# Altium PCB pcb-acopians-powerspy-monitoring-hw.PcbDoc (part 2 of 3) (continued)
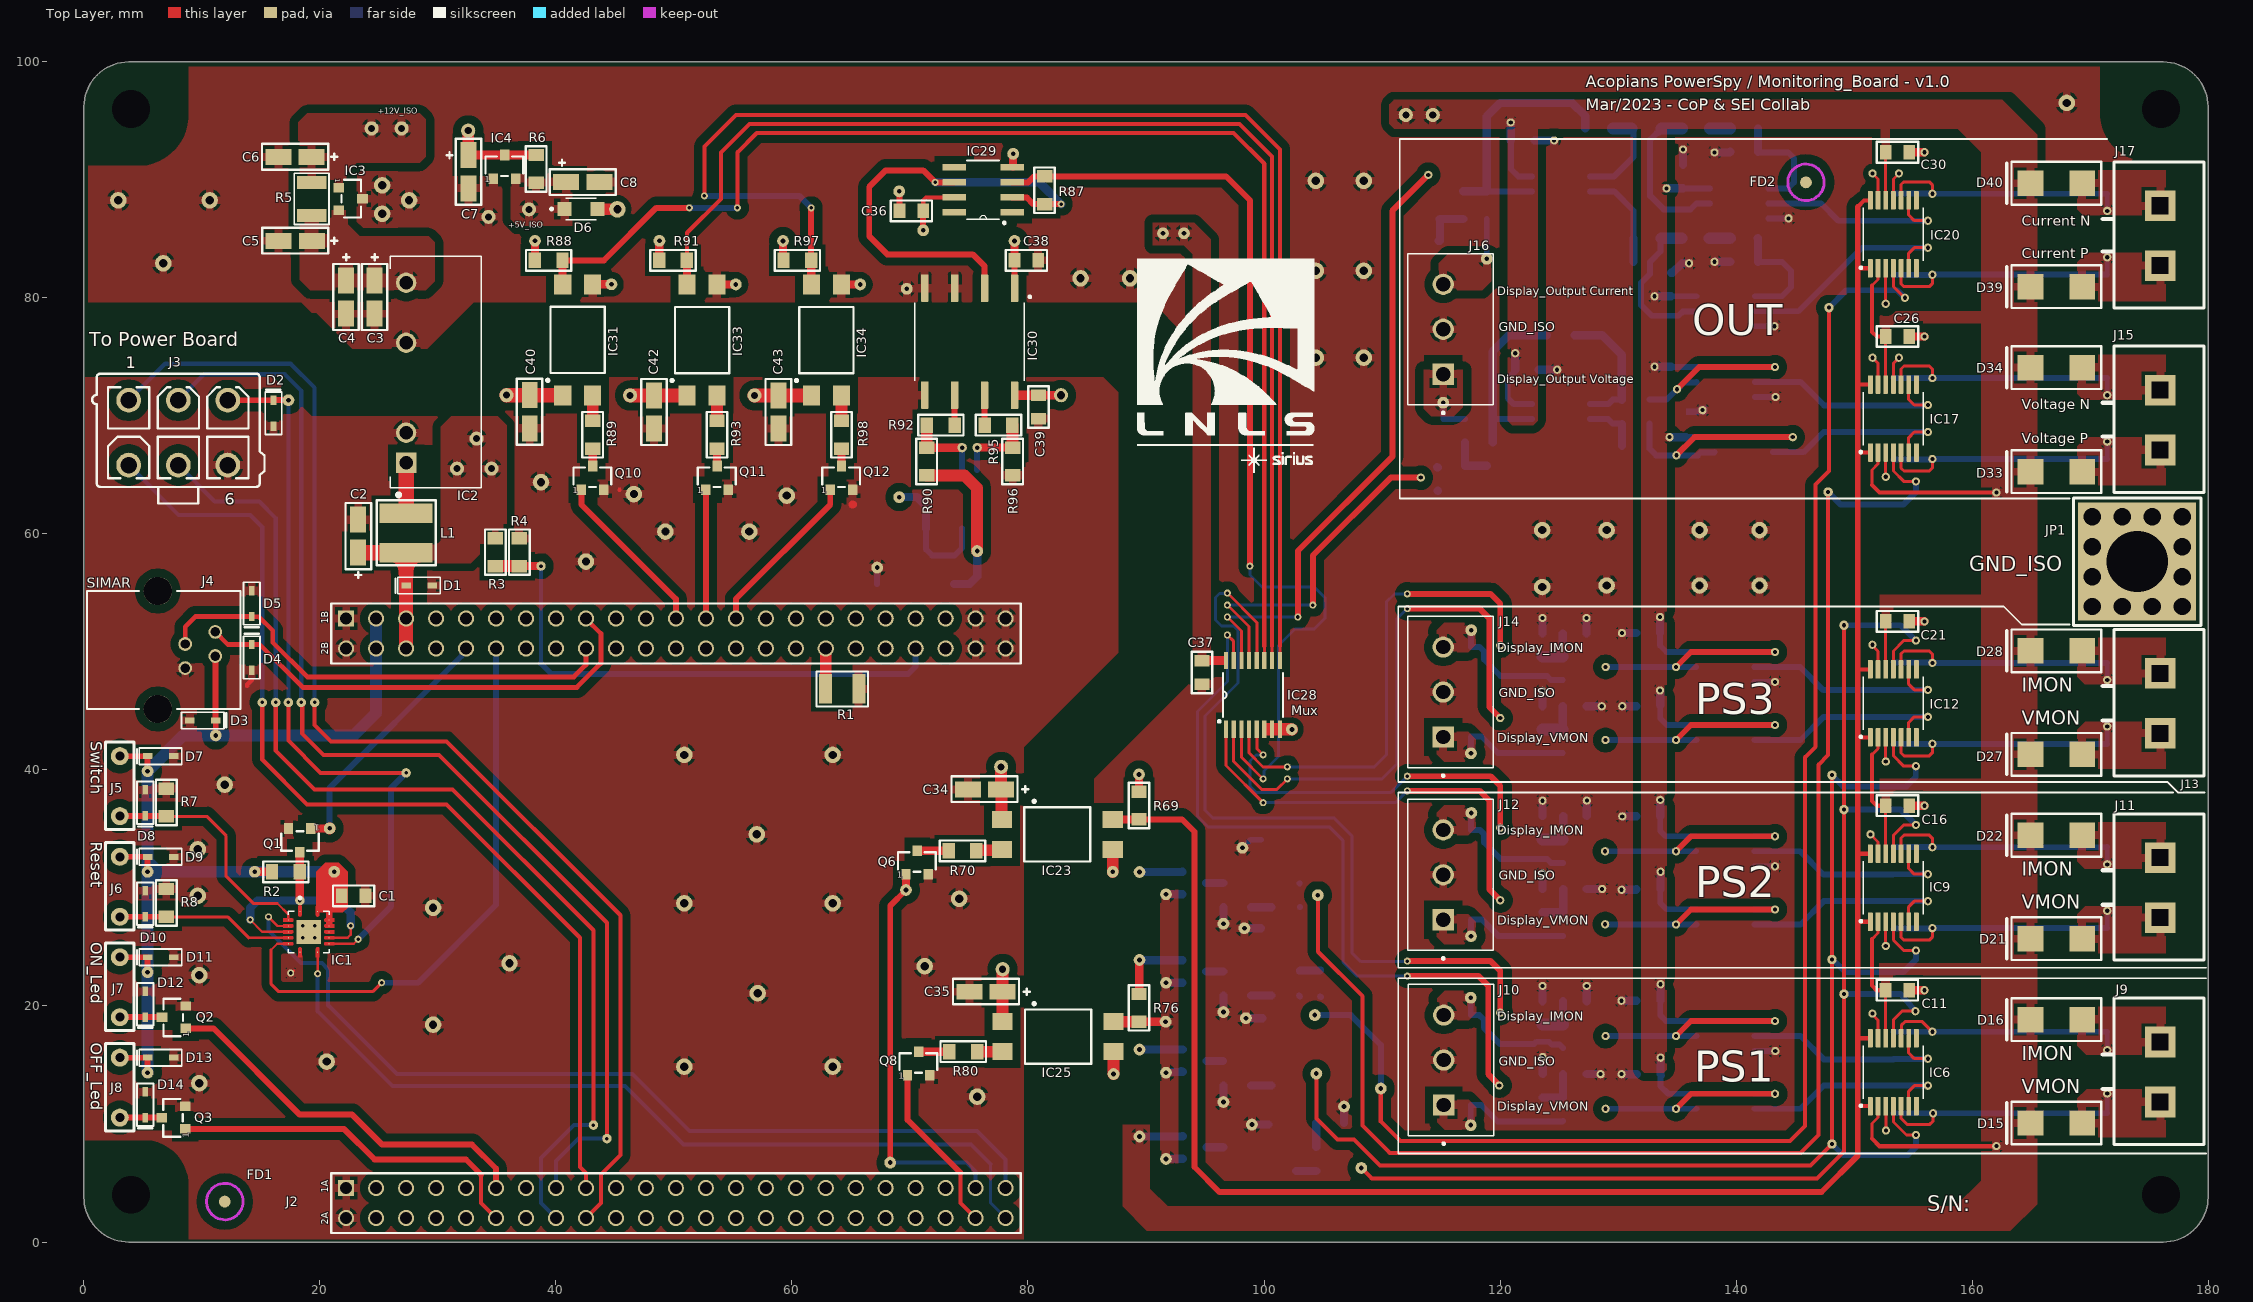
[diagram p0: Top Layer view]
## Nets (pads, with @x,y where several pads share a name; then routed paths per layer and width w, separated by ;. In a path a pad name is that pad's centre, name@x,y a point inside that pad or via, vN(x,y) a via of type N, cw(c..) or ccw(c..) an arc to the next point about the centre after c; other vN are vias at no path point) (continued)
  Top Layer w0.35: pad.1@55.372,87.63 55.372,92.337 57.015,93.98 97.409,93.98 100.025,91.364 100.025,50.495
  Top Layer w0.5: R88.2@40.56,83.185 44.069,83.185 48.514,87.63 pad.1@51.308,87.63
  Top Layer w0.7: R88.2@40.56,83.185 40.567,83.178 40.567,81.145 IC31.4@40.574,81.138 IC31.4@40.607,81.171
  Bottom Layer w0.5: pad.1@51.308,87.63 pad.1@55.372,87.63
MUX_SEL_BIT_1: IC28.10 IC33.4 R91.2 | length 104
  Top Layer w0.254: IC28.10@100.686,49.276 100.686,50.495
  Top Layer w0.35: R91.2@51.1,83.185 51.1,85.517 53.975,88.392 53.975,92.329 56.388,94.742 97.917,94.742 100.686,91.973 100.686,50.495
  Top Layer w0.7: R91.2@51.1,83.185 51.108,83.177 51.108,81.179 51.085,81.156 IC33.4@51.115,81.125
MUX_SEL_BIT_2: IC28.9 IC34.4 pad.1@52.578,88.646 pad.1@61.63,87.63 R97.2 | length 114.6
  Top Layer w0.254: IC28.9@101.346,49.276 101.346,50.495
  Top Layer w0.35: pad.1@52.578,88.646 52.578,92.837 55.245,95.504 98.425,95.504 101.346,92.583 101.346,50.495
  Top Layer w0.5: R97.2@61.63,83.185 pad.1@61.63,87.63
  Top Layer w0.7: R97.2@61.63,83.185 61.643,83.172 61.643,81.158 61.633,81.148 IC34.4@61.656,81.125
  Bottom Layer w0.5: pad.1@52.578,88.646 60.614,88.646 pad.1@61.63,87.63
NetC10_2: C10.2 R10.2 R11.1 | length 3.7
  Bottom Layer w0.381: R10.2@125.326,12.243 R10.2@125.338,12.255 ; C10.2@125.338,14.218 C10.2@125.35,14.23
  Bottom Layer w0.7: R11.1@123.59,12.243 R10.2@125.326,12.243 ; R10.2@125.338,12.255 C10.2@125.338,14.218
NetC13_2: C13.2 R14.2 R15.1 | length 3.7
  Bottom Layer w0.35: R14.2@125.326,18.42 R14.2@125.34,18.434
  Bottom Layer w0.7: R14.2@125.34,18.434 C13.2@125.34,20.4
  Bottom Layer w1: R15.1@123.6,18.42 R14.2@125.326,18.42
NetC15_2: C15.2 R20.2 R21.1 | length 3.7
  Bottom Layer w0.7: R21.1@123.59,27.94 R20.2@125.326,27.94 ; R20.2@125.35,27.964 C15.2@125.35,29.92
NetC18_2: C18.2 R24.2 R25.1 | length 3.7
  Bottom Layer w0.35: R24.2@125.316,34.11 R24.2@125.326,34.12 R24.2@125.349,34.143
  Bottom Layer w0.7: R24.2@125.349,34.143 C18.2@125.349,36.1
  Bottom Layer w1: R25.1@123.6,34.11 R24.2@125.316,34.11
NetC20_2: C20.2 R30.2 R31.1 | length 3.7
  Bottom Layer w0.5: R30.2@125.317,43.42 R30.2@125.318,43.422 ; C20.2@125.318,45.398 C20.2@125.32,45.4
  Bottom Layer w0.7: R30.2@125.318,43.422 C20.2@125.318,45.398
  Bottom Layer w1: R31.1@123.59,43.42 R30.2@125.317,43.42
NetC23_2: C23.2 R34.2 R35.1 | length 3.7
  Bottom Layer w0.5: R34.2@125.317,49.6 R34.2@125.318,49.602 ; C23.2@125.318,51.568 C23.2@125.32,51.57
  Bottom Layer w0.7: R34.2@125.318,49.602 C23.2@125.318,51.568
  Bottom Layer w1: R35.1@123.59,49.6 R34.2@125.317,49.6
NetC27_2: C27.2 R42.2 R44.2 | length 3.8
  Bottom Layer w0.7: R42.2@117.03,67.75 117.03,67.69 R44.2@117.031,65.76 117.044,65.773 118.859,65.773 C27.2@118.872,65.786
NetC32_2: C32.2 R55.2 R58.2 | length 3.9
  Bottom Layer w0.7: C32.2@114.792,84.836 C32.2@114.846,84.89 ; C32.2@114.92,84.836 114.91,84.846 114.91,86.667 R58.2@114.9,86.677 R55.2@116.89,86.677
NetD2_1: D2.1 IC1.9 J3.3 pad.1@17.334,45.72 pad.1@17.334,71.331 pad.1@23.241,25.654 pad.1@27.305,39.751 | length 63.5
  Top Layer w0.2: IC1.9@20.758,25.281 22.868,25.281 pad.1@23.241,25.654
  Top Layer w0.35: J3.3@12.196,71.335 J3.3@12.201,71.33 ; pad.1@17.334,45.72 17.334,42.483 20.066,39.751 pad.1@27.305,39.751
  Top Layer w0.5: J3.3@12.201,71.33 D2.1@16.064,71.331 ; D2.1@16.064,71.331 pad.1@17.334,71.331
  Bottom Layer w0.35: pad.1@17.334,45.72 pad.1@17.334,71.331
  Bottom Layer w0.5: pad.1@23.241,25.654 26.035,28.448 26.035,38.481 pad.1@27.305,39.751
NetD4_1: D4.1 J2.17B J4.2 | length 39.8
  Top Layer w0.4: J4.2@11.135,51.693 12.198,50.63 14.902,50.63 18.542,46.99 41.783,46.99 43.815,49.022 43.815,51.562 J2.17B@42.545,52.832
NetD5_1: D5.1 J2.18B J4.3 | length 40.3
  Top Layer w0.4: J4.3@8.585,50.673 8.585,52.146 9.441,53.002 D5.1@14.224,53.002 14.248,52.978 14.84,52.978 16.002,51.816 16.002,50.8 18.923,47.879 41.529,47.879 42.545,48.895 J2.18B@42.545,50.292
NetD8_1: D8.1 IC1.2 J5.2 R7.2 | length 20.2
  Top Layer w0.2: 16.383,28.702 17.333,27.752 IC1.2@17.333,27.281
  Top Layer w0.254: R7.2@6.985,36.068 10.414,36.068 12.065,34.417 12.065,30.988 14.351,28.702 16.383,28.702
  Top Layer w0.4: J5.2@3.048,36.089 J5.2@3.059,36.1
  Top Layer w0.5: J5.2@3.059,36.1 D8.1@5.189,36.1 ; D8.1@5.2,36.111 5.2,36.089 6.964,36.089 R7.2@6.985,36.068
NetD10_1: D10.1 IC1.5 J6.2 R8.2 | length 15
  Top Layer w0.2: 13.97,25.781 15.113,25.781 IC1.5@17.333,25.781
  Top Layer w0.254: R8.2@6.985,27.559 12.192,27.559 13.97,25.781
  Top Layer w0.5: J6.2@3.048,27.559 D10.1@5.2,27.559 R8.2@6.985,27.559
NetD12_1: D12.1 J7.2 Q2.3 | length 3.6
  Top Layer w0.5: J7.2@3.048,19.05 D12.1@5.2,19.05 Q2.3@6.62,19.05
NetD14_1: D14.1 J8.2 Q3.3 | length 3.6
  Top Layer w0.5: J8.2@3.048,10.541 D14.1@5.2,10.541 Q3.3@6.604,10.541
NetD15_2: D15.2 D17.1 IC6.5 J9.1 pad.1@156.696,10.909 pad.1@171.45,12.573 R16.1 | length 24.5
  Top Layer w0.254: IC6.5@153.98,11.51 153.98,10.485 154.52,9.945 156.378,9.945 156.696,10.263 pad.1@156.696,10.909
  Bottom Layer w0.35: D17.1@171.45,10.922 pad.1@171.45,12.573
  Bottom Layer w0.5: R16.1@153.33,10.909 pad.1@156.696,10.909 D17.1@171.45,10.909
NetD16_2: D16.2 D18.1 IC6.10 J9.2 pad.1@156.632,17.819 pad.1@171.45,16.256 R18.1 | length 23.9
  Top Layer w0.254: IC6.10@153.98,17.27 153.999,17.289 153.999,18.363 154.305,18.669 155.782,18.669 pad.1@156.632,17.819
  Bottom Layer w0.254: R18.1@153.33,17.831 R18.1@153.342,17.819
  Bottom Layer w0.35: pad.1@171.45,16.256 D18.1@171.45,17.8
  Bottom Layer w0.5: R18.1@153.342,17.819 pad.1@156.632,17.819 D18.1@171.45,17.819
NetD19_1: D19.1 J10.1 pad.1@117.52,9.906 R9.2 | length 10.1
  Bottom Layer w0.5: pad.1@117.52,9.906 117.516,9.91 D19.1@117.516,11.608 118.405,11.608 119.802,10.211 125.287,10.211 R9.2@125.326,10.25
NetD20_1: D20.1 J10.3 pad.1@117.52,20.701 R13.2 | length 11
  Bottom Layer w0.5: pad.1@117.52,20.701 117.516,20.697 D20.1@117.516,19.228 118.241,19.228 118.618,18.851 118.618,18.161 120.015,16.764 122.866,16.764 123.074,16.972 124.15,16.972 124.389,16.733 125.051,16.733 125.326,16.458 R13.2@125.326,16.434
NetD21_2: D21.2 D23.1 IC9.5 J11.1 pad.1@156.632,26.594 pad.1@171.45,28.067 R26.1 | length 24.6
  Top Layer w0.254: IC9.5@153.98,27.143 153.98,25.817 154.219,25.578 156.378,25.578 156.632,25.832 pad.1@156.632,26.594
  Bottom Layer w0.35: D23.1@171.45,26.6 pad.1@171.45,28.067
  Bottom Layer w0.5: R26.1@153.33,26.53 153.362,26.562 156.6,26.562 pad.1@156.632,26.594 D23.1@171.45,26.594
NetD22_2: D22.2 D24.1 IC9.10 J11.2 pad.1@156.632,33.452 pad.1@171.45,32.004 R28.1 | length 24.5
  Top Layer w0.254: IC9.10@153.98,32.903 153.98,34.229 154.219,34.468 156.378,34.468 156.632,34.214 pad.1@156.632,33.452
  Bottom Layer w0.35: pad.1@171.45,32.004 D24.1@171.45,33.452
  Bottom Layer w0.5: R28.1@153.33,33.516 153.362,33.484 156.6,33.484 pad.1@156.632,33.452 171.45,33.452 D24.1@171.45,33.46
NetD25_1: D25.1 J12.1 pad.1@117.54,25.908 R19.2 | length 9.8
  Bottom Layer w0.5: J12.1@115.189,27.305 J12.1@115.221,27.337 ; pad.1@117.52,25.908 pad.1@117.53,25.918 ; pad.1@117.54,25.908 117.555,25.923 D25.1@117.555,27.337 118.444,27.337 119.841,25.94 R19.2@125.326,25.94
NetD26_1: D26.1 J12.3 pad.1@117.57,36.354 R23.2 | length 10.7
  Bottom Layer w0.5: pad.1@117.555,36.339 D26.1@117.555,34.925 118.28,34.925 118.657,34.548 118.657,33.858 120.054,32.461 123.991,32.461 124.321,32.131 R23.2@125.326,32.131
NetD27_2: D27.2 D29.1 IC12.5 J13.1 pad.1@156.632,42.215 pad.1@171.45,43.688 R36.1 | length 24.6
  Top Layer w0.254: IC12.5@153.98,42.764 153.98,41.438 154.219,41.199 156.378,41.199 156.632,41.453 pad.1@156.632,42.215
  Bottom Layer w0.35: D29.1@171.45,42.22 pad.1@171.45,43.688
  Bottom Layer w0.5: R36.1@153.33,42.151 153.362,42.183 156.6,42.183 pad.1@156.632,42.215 D29.1@171.45,42.215
NetD28_2: D28.2 D30.1 IC12.10 J13.2 pad.1@156.632,49.073 pad.1@171.45,47.625 R38.1 | length 24.5
  Top Layer w0.254: IC12.10@153.98,48.524 153.98,49.85 154.219,50.089 156.378,50.089 156.632,49.835 pad.1@156.632,49.073
  Bottom Layer w0.35: pad.1@171.45,47.625 D30.1@171.45,49.06
  Bottom Layer w0.5: R38.1@153.33,49.137 153.362,49.105 156.6,49.105 pad.1@156.632,49.073 D30.1@171.45,49.073
NetD31_1: D31.1 J14.1 pad.1@117.531,41.41 R29.2 | length 9.8
  Bottom Layer w0.35: J14.1@115.189,42.79 J14.1@115.238,42.839 ; J14.1@115.189,42.84 J14.1@115.19,42.839
  Bottom Layer w0.5: pad.1@117.546,41.425 D31.1@117.546,42.839 118.435,42.839 119.832,41.442 R29.2@125.317,41.442
NetD32_1: D32.1 J14.3 pad.1@117.561,51.848 R33.2 | length 10.8
  Bottom Layer w0.5: D32.1@117.546,50.41 D32.1@117.546,50.419 ; pad.1@117.546,51.833 D32.1@117.546,50.419 ; R33.2@125.317,47.625 124.312,47.625 123.982,47.955 120.045,47.955 118.648,49.352 118.648,50.042 118.271,50.419 D32.1@117.546,50.419
NetD33_2: D33.2 D35.1 IC17.5 J15.1 pad.1@156.632,66.345 pad.1@171.45,67.818 R47.1 | length 24.6
  Top Layer w0.254: IC17.5@153.98,66.894 153.98,65.568 154.219,65.329 156.378,65.329 156.632,65.583 pad.1@156.632,66.345
  Bottom Layer w0.35: D35.1@171.45,66.345 pad.1@171.45,67.818
  Bottom Layer w0.5: R47.1@153.33,66.281 153.362,66.313 156.6,66.313 pad.1@156.632,66.345 171.45,66.345 D35.1@171.45,66.34
NetD34_2: D34.2 D36.1 IC17.10 J15.2 pad.1@156.632,73.203 pad.1@171.45,71.755 R48.1 | length 24.5
  Top Layer w0.254: IC17.10@153.98,72.654 153.98,73.98 154.219,74.219 156.378,74.219 156.632,73.965 pad.1@156.632,73.203
  Bottom Layer w0.35: pad.1@171.45,71.755 D36.1@171.45,73.2
  Bottom Layer w0.5: R48.1@153.33,73.23 153.344,73.217 156.618,73.217 pad.1@156.632,73.203 D36.1@171.45,73.203
NetD37_1: D37.1 J16.1 pad.1@115.189,71.12 R40.2 | length 3.2
  Bottom Layer w0.5: pad.1@115.189,71.12 D37.1@115.189,69.723 R40.2@117.03,69.723
NetD38_1: D38.1 J16.3 pad.1@118.872,83.312 R50.2 | length 3.4
  Bottom Layer w0.5: pad.1@118.872,83.312 D38.1@118.872,84.836 R50.2@118.872,86.677
NetD39_2: D39.2 D41.1 IC20.5 J17.1 pad.1@156.632,81.966 pad.1@171.45,83.439 R63.1 | length 24.6
  Top Layer w0.254: IC20.5@153.98,82.515 153.98,81.189 154.219,80.95 156.378,80.95 156.632,81.204 pad.1@156.632,81.966
  Bottom Layer w0.35: D41.1@171.45,81.966 pad.1@171.45,83.439
  Bottom Layer w0.5: R63.1@153.33,81.902 153.362,81.934 156.6,81.934 pad.1@156.632,81.966 D41.1@171.45,81.966
NetD40_2: D40.2 D42.1 IC20.10 J17.2 pad.1@156.632,88.824 pad.1@171.45,87.376 R64.1 | length 24.5
  Top Layer w0.254: IC20.10@153.98,88.275 153.98,89.601 154.219,89.84 156.378,89.84 156.632,89.586 pad.1@156.632,88.824
  Bottom Layer w0.35: pad.1@171.45,87.376 D42.1@171.45,88.815
  Bottom Layer w0.5: R64.1@153.33,88.888 153.362,88.856 156.6,88.856 pad.1@156.632,88.824 D42.1@171.45,88.824
NetD43_2: D43.2 J2.39B R94.2
NetIC2_1: IC2.1 L1.2 | length 4.3
  Top Layer w1.3: L1.2@27.305,61.77 IC2.1@27.305,66.04
NetIC5_2: IC5.2 IC5.6 pad.1@128.946,11.29 pad.1@134.915,11.29 pad.1@143.297,12.56 R9.1 R10.1 | length 18.3
  Top Layer w0.5: pad.1@134.915,11.29 136.185,12.56 pad.1@143.297,12.56
  Bottom Layer w0.5: pad.1@128.946,11.29 pad.1@134.915,11.29 IC5.6@136.642,11.29 ; IC5.2@141.57,12.56 pad.1@143.297,12.56
NetIC6_1: IC6.1 IC6.14 IC9.1 IC9.14 IC12.1 IC12.14 IC17.1 IC17.14 IC20.1 IC20.14 IC23.4 R69.1 | length 185.4
  Top Layer w0.35: 150.311,11.51 IC6.1@151.38,11.51 ; 150.311,17.27 IC6.14@151.38,17.27 ; 150.311,27.143 IC9.1@151.38,27.143 ; 150.311,32.903 IC9.14@151.38,32.903 ; 150.311,42.764 IC12.1@151.38,42.764 ; 150.311,48.524 IC12.14@151.38,48.524 ; 150.311,66.894 IC17.1@151.38,66.894 ; 150.311,72.654 IC17.14@151.38,72.654 ; 150.311,82.515 IC20.1@151.38,82.515 ; 150.311,87.71 150.855,88.254 151.359,88.254 IC20.14@151.38,88.275
  Top Layer w0.5: R69.1@89.408,35.814 93.056,35.814 94.107,34.763 94.107,6.35 96.215,4.242 147.234,4.242 150.311,7.319 150.311,11.51 150.311,17.27 150.311,27.143 150.311,32.903 150.311,42.764 150.311,48.524 150.311,66.894 150.311,72.654 150.311,82.515 150.311,87.71
  Top Layer w0.7: IC23.4@87.184,35.798 87.192,35.806 89.4,35.806 R69.1@89.408,35.814
NetIC6_4: IC6.4 IC9.4 IC12.4 pad.1@104.435,14.275 pad.1@148.123,8.306 pad.1@148.123,23.939 pad.1@148.123,39.56 pad.1@155.235,9.068 pad.1@155.235,24.701 pad.1@155.235,40.322 R77.1 R79.2 | length 118.9
  Top Layer w0.254: IC6.4@153.33,11.51 153.33,10.17 154.432,9.068 pad.1@155.235,9.068 ; IC9.4@153.33,27.143 153.33,25.578 154.207,24.701 pad.1@155.235,24.701 ; IC12.4@153.33,42.764 153.33,41.199 154.207,40.322 pad.1@155.235,40.322
  Top Layer w0.35: pad.1@104.435,14.275 104.435,10.465 106.213,8.687 107.61,8.687 109.82,6.477 146.294,6.477 pad.1@148.123,8.306 pad.1@148.123,23.939 pad.1@148.123,39.56
  Bottom Layer w0.5: pad.1@148.123,8.306 149.063,7.366 154.559,7.366 155.235,8.042 pad.1@155.235,9.068 ; pad.1@148.123,23.939 148.204,23.939 149.283,22.86 154.178,22.86 155.235,23.917 pad.1@155.235,24.701 ; pad.1@148.123,39.56 149.075,38.608 154.432,38.608 155.222,39.398 155.222,40.309 pad.1@155.235,40.322
NetIC6_11: IC6.11 IC9.11 IC12.11 pad.1@108.245,6.274 pad.1@149.139,21.006 pad.1@149.139,36.639 pad.1@149.139,52.26 pad.1@155.194,19.558 pad.1@155.235,35.345 pad.1@155.235,50.966 R82.1 R85.2 | length 118.2
  Top Layer w0.254: IC6.11@153.33,17.27 153.33,18.835 154.053,19.558 pad.1@155.194,19.558 ; IC9.11@153.33,32.903 153.33,34.468 154.207,35.345 pad.1@155.235,35.345 ; IC12.11@153.33,48.524 153.33,50.089 154.207,50.966 pad.1@155.235,50.966
  Top Layer w0.35: pad.1@108.245,6.274 109.134,5.385 146.853,5.385 149.139,7.671 pad.1@149.139,21.006 pad.1@149.139,36.639 pad.1@149.139,52.26
  Bottom Layer w0.5: pad.1@149.139,21.006 153.941,21.006 pad.1@155.194,19.558 ; pad.1@149.139,36.639 153.941,36.639 pad.1@155.235,35.345 ; pad.1@149.139,52.26 153.941,52.26 pad.1@155.235,50.966
NetIC7_2: IC7.2 IC7.6 pad.1@128.946,17.45 pad.1@134.915,17.45 pad.1@143.297,18.72 R13.1 R14.1 | length 18.3
  Top Layer w0.5: pad.1@134.915,17.45 136.185,18.72 pad.1@143.297,18.72
  Bottom Layer w0.5: pad.1@128.946,17.45 pad.1@134.915,17.45 IC7.6@136.642,17.45 ; IC7.2@141.57,18.72 pad.1@143.297,18.72
NetIC8_2: IC8.2 IC8.6 pad.1@128.905,26.924 pad.1@134.915,26.911 pad.1@143.297,28.181 R19.1 R20.1 | length 18.4
  Top Layer w0.5: pad.1@134.915,26.911 136.185,28.181 pad.1@143.297,28.181
  Bottom Layer w0.5: pad.1@128.905,26.924 128.911,26.918 134.909,26.918 pad.1@134.915,26.911 IC8.6@136.642,26.911 ; IC8.2@141.57,28.181 pad.1@143.297,28.181
NetIC10_2: IC10.2 IC10.6 pad.1@128.899,33.109 pad.1@134.915,33.109 pad.1@143.297,34.379 R23.1 R24.1 | length 18.4
  Top Layer w0.5: pad.1@134.915,33.109 136.185,34.379 pad.1@143.297,34.379
  Bottom Layer w0.5: pad.1@128.899,33.109 pad.1@134.915,33.109 IC10.6@136.616,33.109 ; IC10.2@141.544,34.379 pad.1@143.297,34.379
NetIC11_2: IC11.2 IC11.6 pad.1@128.93,42.532 pad.1@134.915,42.532 pad.1@143.297,43.802 R29.1 R30.1 | length 18.3
  Top Layer w0.5: pad.1@134.915,42.532 136.185,43.802 pad.1@143.297,43.802
  Bottom Layer w0.5: pad.1@128.93,42.532 pad.1@134.915,42.532 IC11.6@136.642,42.532 ; IC11.2@141.57,43.802 pad.1@143.297,43.802
NetIC13_2: IC13.2 IC13.6 pad.1@128.95,48.73 pad.1@134.915,48.73 pad.1@143.297,50 R33.1 R34.1 | length 18.4
  Top Layer w0.5: pad.1@134.915,48.73 136.185,50 pad.1@143.297,50
  Bottom Layer w0.5: pad.1@128.95,48.73 pad.1@134.915,48.73 IC13.6@136.616,48.73 ; IC13.2@141.563,49.981 IC13.2@141.544,50 pad.1@143.297,50 ; pad.1@143.278,49.981 pad.1@143.297,49.962
NetIC14_2: IC14.2 IC14.6 pad.1@135.001,72.263 pad.1@143.289,74.138 R41.1 | length 15.4
  Top Layer w0.5: pad.1@135.001,72.263 136.876,74.138 pad.1@143.289,74.138
  Bottom Layer w0.5: R41.1@132.652,71.374 134.112,71.374 pad.1@135.001,72.263 135.055,72.263 135.63,72.838 136.631,72.838 IC14.6@136.661,72.868 ; IC14.2@141.588,74.138 pad.1@143.289,74.138
NetIC15_2: IC15.2 R39.1 R41.2 | length 11.3
  Bottom Layer w0.5: IC15.2@127.635,70.993 129.171,70.993 129.552,71.374 R41.2@130.302,71.374
  Bottom Layer w0.7: R39.1@126.302,76.835 128.651,76.835 130.302,75.184 R41.2@130.302,71.374
NetIC15_3: IC15.3 R43.2 R45.2 | length 4.8
  Bottom Layer w0.5: IC15.3@127.635,69.723 129.171,69.723 129.552,69.342 R43.2@130.302,69.342 R43.2@130.331,69.313 ; R45.2@130.331,67.466 R45.2@130.36,67.437
  Bottom Layer w0.7: R45.2@130.331,67.466 R43.2@130.331,69.313
NetIC15_6: IC15.6 R39.2 R40.1 R42.1 | length 16.2
  Bottom Layer w0.5: R40.1@119.38,69.723 IC15.6@122.707,69.723
  Bottom Layer w0.7: R42.1@119.38,67.75 R40.1@119.38,69.723 119.38,75.438 120.777,76.835 R39.2@123.952,76.835
NetIC16_2: IC16.2 IC16.6 pad.1@134.941,66.662 pad.1@144.805,68.199 R43.1 | length 20.2
  Top Layer w0.5: pad.1@134.941,66.662 136.478,68.199 pad.1@144.805,68.199
  Bottom Layer w0.5: R43.1@132.672,69.342 132.672,67.217 133.227,66.662 136.766,66.662 137.004,66.9 138.147,66.9 IC16.6@138.176,66.929 ; IC16.2@143.104,68.199 pad.1@144.805,68.199
NetIC17_4: IC17.4 pad.1@104.562,29.388 pad.1@147.8,63.551 pad.1@155.235,64.452 R65.1 R67.2 | length 129.2
  Top Layer w0.254: IC17.4@153.33,66.894 153.33,65.329 154.207,64.452 pad.1@155.235,64.452
  Top Layer w0.35: pad.1@104.562,29.388 104.562,24.597 108.331,20.828 108.331,9.871 110.658,7.544 145.456,7.544 146.98,9.068 146.98,40.437 147.8,41.257 pad.1@147.8,63.551
  Bottom Layer w0.5: R65.1@103.01,30.404 R65.1@103.024,30.39 ; R67.2@103.024,28.386 R67.2@103.038,28.372 ; pad.1@147.8,63.551 148.867,62.484 154.178,62.484 155.235,63.541 pad.1@155.235,64.452
NetIC18_2: IC18.2 R51.1 R54.1 | length 9.7
  Bottom Layer w0.5: R54.1@141.859,92.38 141.91,92.329 144.399,92.329 144.907,91.821 144.907,89.789 144.399,89.281 IC18.2@142.723,89.281
  Bottom Layer w0.7: R54.1@141.859,92.38 R51.1@141.859,94.361
NetIC18_6: IC18.6 R52.2 R53.1 | length 13.7
  Bottom Layer w0.5: R53.1@133.67,94.361 133.67,94.236 133.395,93.961 133.27,93.961 132.715,93.406 132.715,88.646 133.858,87.503 136.144,87.503 136.652,88.011 IC18.6@137.795,88.011 IC18.6@137.766,87.982
  Bottom Layer w1: R53.1@133.67,94.361 R52.2@135.42,94.361
NetIC19_2: IC19.2 R49.1 R53.2 | length 8.5
  Bottom Layer w0.5: IC19.2@127.635,90.297 129.667,90.297 131.32,91.95 R53.2@131.32,94.361 R53.2@131.127,94.361
  Bottom Layer w1: R49.1@129.58,94.361 R53.2@131.127,94.361
NetIC19_3: IC19.3 R57.2 R61.2 | length 8.7
  Bottom Layer w0.5: IC19.3@127.635,89.027 129.667,89.027 131.314,87.38 131.314,85.044 R57.2@131.31,85.048 ; R61.2@131.314,83.062 R61.2@131.318,83.058
  Bottom Layer w0.7: R61.2@131.314,83.062 R57.2@131.314,85.044
NetIC19_6: IC19.6 R49.2 R50.1 R55.1 | length 22.5
  Bottom Layer w0.5: R50.1@118.872,89.027 IC19.6@122.707,89.027
  Bottom Layer w0.7: R55.1@116.89,89.027 R50.1@118.872,89.027 118.872,95.377 120.015,96.52 126.111,96.52 127.23,95.401 R49.2@127.23,94.361
NetIC20_4: IC20.4 pad.1@104.308,19.228 pad.1@109.896,13.005 pad.1@147.869,79.172 pad.1@154.305,80.01 R71.1 R74.2 | length 130.9
  Top Layer w0.254: IC20.4@153.33,82.515 153.33,80.95 pad.1@154.288,79.992
  Top Layer w0.35: pad.1@109.896,13.005 109.896,10.211 111.547,8.56 144.567,8.56 145.837,9.83 145.837,41.072 146.726,41.961 146.726,64.186 147.869,65.329 pad.1@147.869,79.172
  Bottom Layer w0.5: R74.2@102.975,20.879 R74.2@103.039,20.816 ; pad.1@104.308,19.228 107.356,19.228 109.896,16.688 pad.1@109.896,13.005 ; R71.1@104.753,20.816 R71.1@104.816,20.752 ; pad.1@147.869,79.172 149.342,80.645 153.67,80.645 pad.1@154.305,80.01
NetIC21_2: IC21.2 R56.2 R59.1 | length 9.9
  Bottom Layer w0.5: IC21.2@141.589,80.137 143.891,80.137 144.653,80.899 144.653,82.296 143.891,83.058 R56.2@141.859,83.058
  Bottom Layer w0.7: R59.1@141.84,85.048 141.85,85.038 141.85,83.067 R56.2@141.859,83.058
NetIC21_6: IC21.6 R57.1 R60.2 | length 13.4
  Bottom Layer w0.5: R57.1@133.66,85.048 133.598,84.986 133.598,83.941 132.715,83.058 132.715,82.042 131.953,81.28 131.953,79.375 132.842,78.486 135.128,78.486 135.48,78.838 136.632,78.838 IC21.6@136.661,78.867
  Bottom Layer w1: R57.1@133.66,85.048 R60.2@135.403,85.048
NetIC22_1: IC22.1 R65.2 R66.1
NetIC23_2: IC23.2 R70.1 | length 2.2
  Top Layer w1: R70.1@75.629,33.147 75.629,33.178 75.654,33.202 77.728,33.202 IC23.2@77.784,33.258
NetIC24_1: IC24.1 R72.2 R73.1
NetIC25_2: IC25.2 R80.1 | length 2.2
  Top Layer w1: R80.1@75.692,16.129 IC25.2@77.85,16.129
NetIC26_1: IC26.1 R77.2 R78.1
NetIC27_1: IC27.1 R83.2 R84.1
NetIC28_1: IC28.1 pad.1@99.924,37.227 pad.1@112.141,38.227 pad.1@120.015,28.956 R21.2 R22.2 | length 36.3
  Top Layer w0.254: IC28.1@96.774,43.434 96.774,40.377 pad.1@99.924,37.227
  Top Layer w0.5: pad.1@112.141,38.227 118.272,38.227 119.085,37.414 119.085,29.886 pad.1@120.015,28.956
  Bottom Layer w0.254: pad.1@99.924,37.227 111.141,37.227 pad.1@112.141,38.227
NetIC28_2: IC28.2 pad.1@101.981,39.243 pad.1@112.141,53.671 pad.1@120.015,44.4 R31.2 R32.2 | length 48.1
  Top Layer w0.254: IC28.2@97.434,43.434 97.434,40.716 99.797,38.354 101.092,38.354 pad.1@101.981,39.243
  Top Layer w0.5: pad.1@112.141,53.671 118.272,53.671 119.085,52.858 119.085,45.33 pad.1@120.015,44.4
  Bottom Layer w0.254: pad.1@101.981,39.243 109.982,39.243 111.252,40.513 111.252,52.782 pad.1@112.141,53.671
NetIC28_4: IC28.4 pad.1@101.981,40.259 pad.1@112.141,54.915 pad.1@120.015,50.546 R35.2 R37.2 | length 41.3
  Top Layer w0.254: IC28.4@98.73,43.434 98.73,41.453 99.924,40.259 pad.1@101.981,40.259
  Top Layer w0.5: pad.1@112.141,54.915 119.202,54.915 120.015,54.102 pad.1@120.015,50.546
  Bottom Layer w0.254: pad.1@101.981,40.259 109.347,40.259 110.363,41.275 110.363,54.229 111.049,54.915 pad.1@112.141,54.915
NetIC28_5: IC28.5 pad.1@99.924,41.275 pad.1@112.141,39.469 pad.1@120.015,35.1 R25.2 R27.2 | length 31.7
  Top Layer w0.254: IC28.5@99.39,43.434 99.39,41.808 pad.1@99.924,41.275
  Top Layer w0.5: pad.1@112.141,39.469 119.202,39.469 120.015,38.656 pad.1@120.015,35.1
  Bottom Layer w0.254: pad.1@99.924,41.275 99.314,41.275 98.806,40.767 98.806,38.608 99.314,38.1 110.772,38.1 pad.1@112.141,39.469
NetIC28_12: IC28.12 pad.1@96.901,54.991 pad.1@112.141,23.8 pad.1@120.015,19.431 R15.2 R17.2 | length 68.5
  Top Layer w0.254: pad.1@96.901,54.991 99.39,52.502 IC28.12@99.39,49.276
  Top Layer w0.5: pad.1@112.141,23.8 119.202,23.8 120.015,22.987 pad.1@120.015,19.431
  Bottom Layer w0.254: pad.1@96.901,54.991 96.855,54.945 96.22,54.945 95.885,54.61 95.885,52.705 96.393,52.197 97.409,52.197 97.79,51.816 97.79,47.371 94.996,44.577 94.996,36.576 95.631,35.941 105.918,35.941 107.442,34.417 107.442,24.511 108.204,23.749 112.09,23.749 pad.1@112.141,23.8
NetIC28_13: IC28.13 pad.1@96.901,53.975 pad.1@104.14,53.975 pad.1@113.284,64.77 R44.1 R46.2 | length 28.9
  Top Layer w0.254: pad.1@96.901,53.975 98.73,52.146 IC28.13@98.73,49.276
  Top Layer w0.5: pad.1@104.14,53.975 104.14,58.166 110.744,64.77 pad.1@113.284,64.77
  Bottom Layer w0.254: pad.1@96.901,53.975 pad.1@104.14,53.975
  Bottom Layer w0.7: R44.1@114.681,65.659 R44.1@114.712,65.628 ; R46.2@114.712,63.658 R46.2@114.744,63.627
NetIC28_14: IC28.14 pad.1@96.901,52.959 pad.1@102.87,52.959 pad.1@113.919,90.424 R58.1 R62.2 | length 52.2
  Top Layer w0.254: pad.1@96.901,52.959 98.095,51.765 IC28.14@98.095,49.276
  Top Layer w0.5: pad.1@102.87,52.959 102.87,58.547 110.871,66.548 110.871,87.376 pad.1@113.919,90.424
  Bottom Layer w0.254: pad.1@96.901,52.959 pad.1@102.87,52.959
NetIC28_15: IC28.15 pad.1@96.901,51.435 pad.1@112.141,22.53 pad.1@119.929,13.259 R11.2 R12.2 | length 64.3
  Top Layer w0.254: pad.1@96.901,51.435 97.434,50.902 IC28.15@97.434,49.276 ; pad.1@119.929,13.259 pad.1@119.929,13.294
  Top Layer w0.5: pad.1@112.141,22.53 118.186,22.53 118.999,21.717 118.999,14.224 pad.1@119.929,13.294
  Bottom Layer w0.254: pad.1@96.901,51.435 96.901,47.498 94.361,44.958 94.361,36.068 95.25,35.179 105.537,35.179 106.68,34.036 106.68,23.749 107.899,22.53 pad.1@112.141,22.53
NetIC31_2: IC31.2 R89.1 | length 2.2
  Top Layer w1: R89.1@43.114,69.58 IC31.2@43.114,71.738
NetIC32_2: IC32.2 pad.1@74.422,67.31 R90.1 R92.2 | length 6.8
  Top Layer w0.7: R90.1@71.42,67.31 pad.1@74.422,67.31
  Top Layer w1: R90.1@71.428,67.327 71.428,69.207 R92.2@71.437,69.215
  Bottom Layer w0.5: IC32.2@74.422,65.405 pad.1@74.422,67.31
NetIC32_3: IC32.3 pad.1@75.692,67.31 R95.2 R96.2 | length 6.8
  Top Layer w0.5: R95.2@78.677,69.215 R95.2@78.689,69.204 ; R96.2@78.689,67.321 R96.2@78.7,67.31
  Top Layer w0.7: pad.1@75.692,67.316 R96.2@78.694,67.316
  Top Layer w1: R96.2@78.689,67.321 R95.2@78.689,69.204
  Bottom Layer w0.5: IC32.3@75.692,65.405 pad.1@75.692,67.31
NetIC32_6: IC32.6 pad.1@75.692,58.547 R90.2 R94.1 | length 16.4
  Top Layer w1: R90.2@71.42,64.96 74.613,64.96 75.692,63.881 pad.1@75.692,58.547
  Bottom Layer w0.5: pad.1@75.692,58.547 IC32.6@75.692,60.477
  Bottom Layer w0.7: R94.1@73.724,55.753 75.057,55.753 75.692,56.388 pad.1@75.692,58.547